# Altium PCB P01-SERVO.PcbDoc
Units mm, origin at the board's own origin, x right, y up, seen from the top; angles counter-clockwise.
Board outline 42.16 x 97.12 mm, 4 copper layers (Top Layer, Mid Layer 1, Mid Layer 2, Bottom Layer), stack 1.57 mm thick; 16 components, 40 nets, 190 pads, 42 vias.
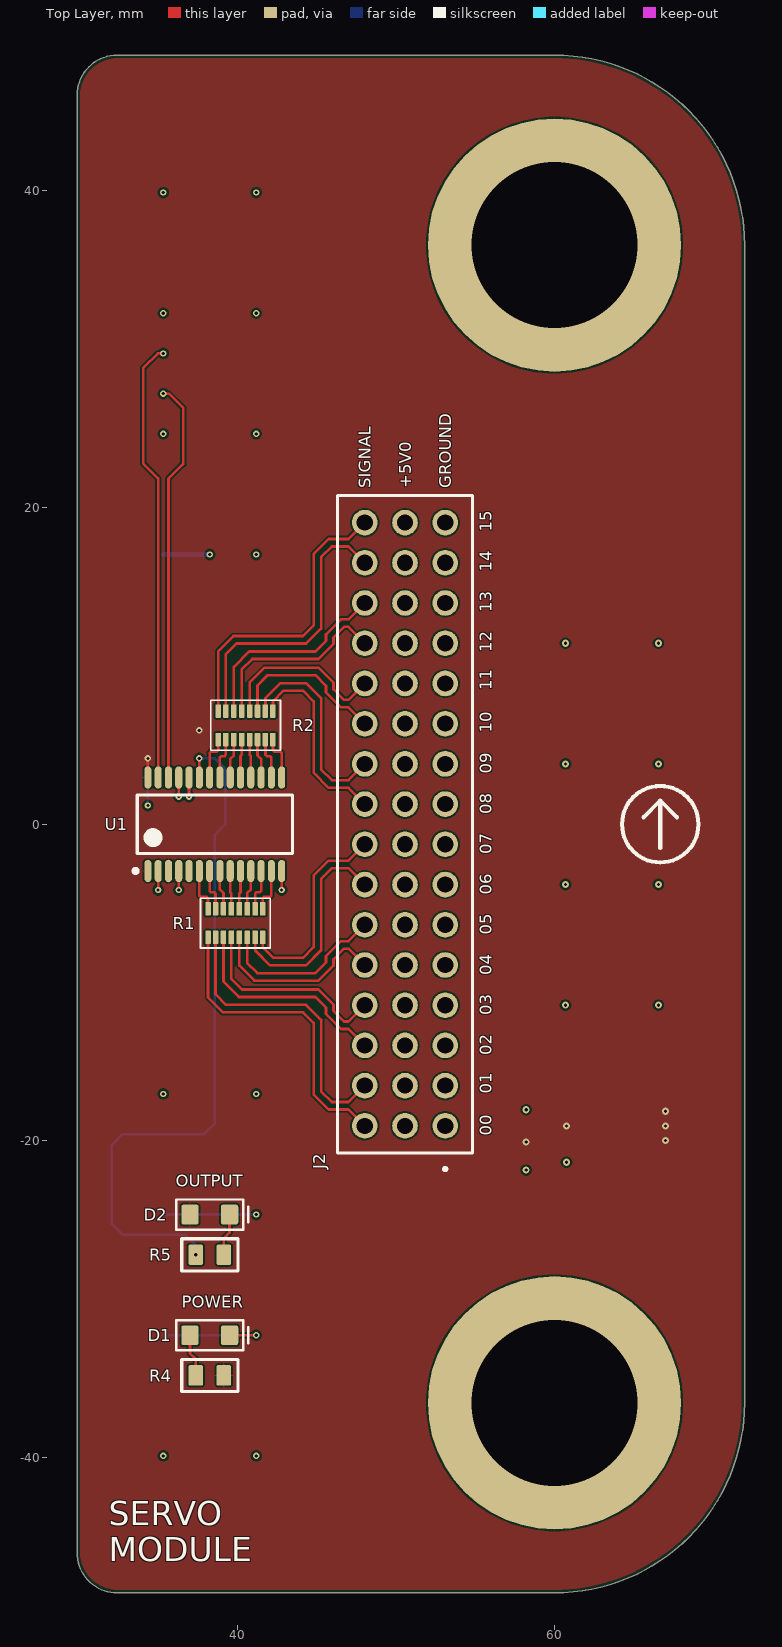
[diagram p0: Top Layer view]
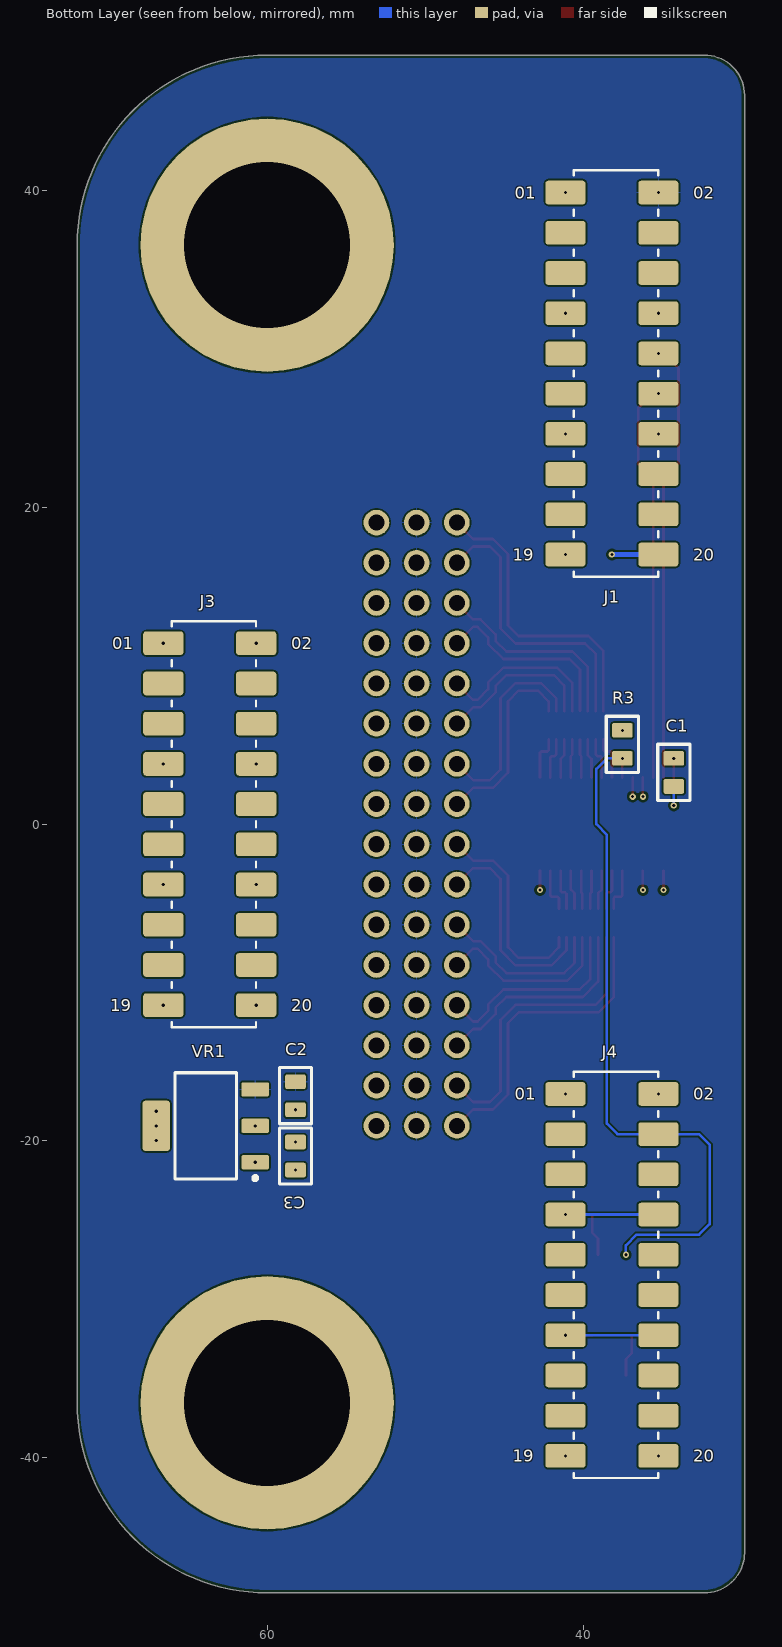
[diagram p1: Bottom Layer view, seen from below]
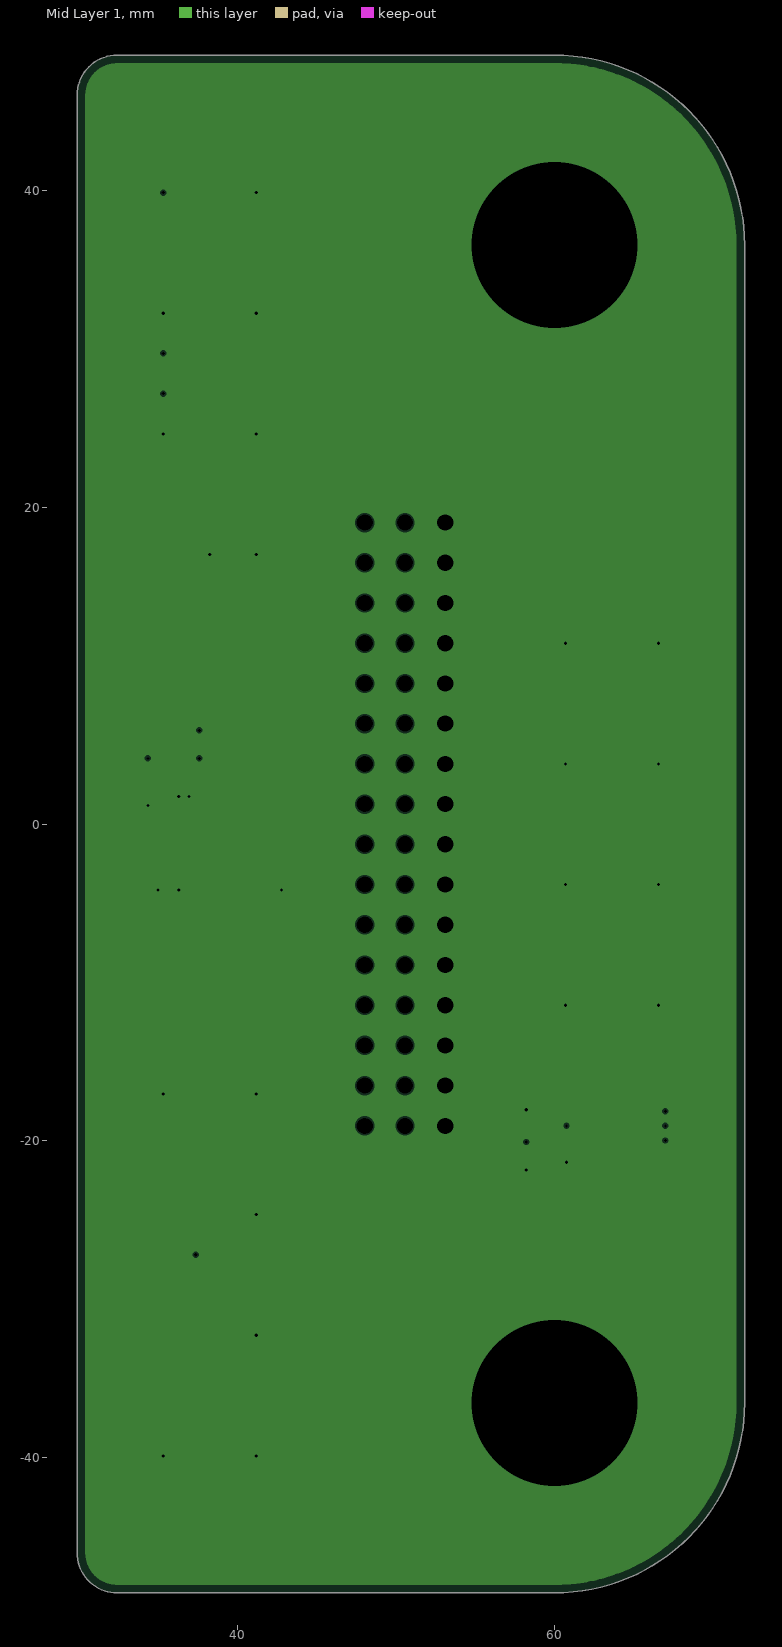
[diagram p2: Mid Layer 1, clearances drawn from the general rule]
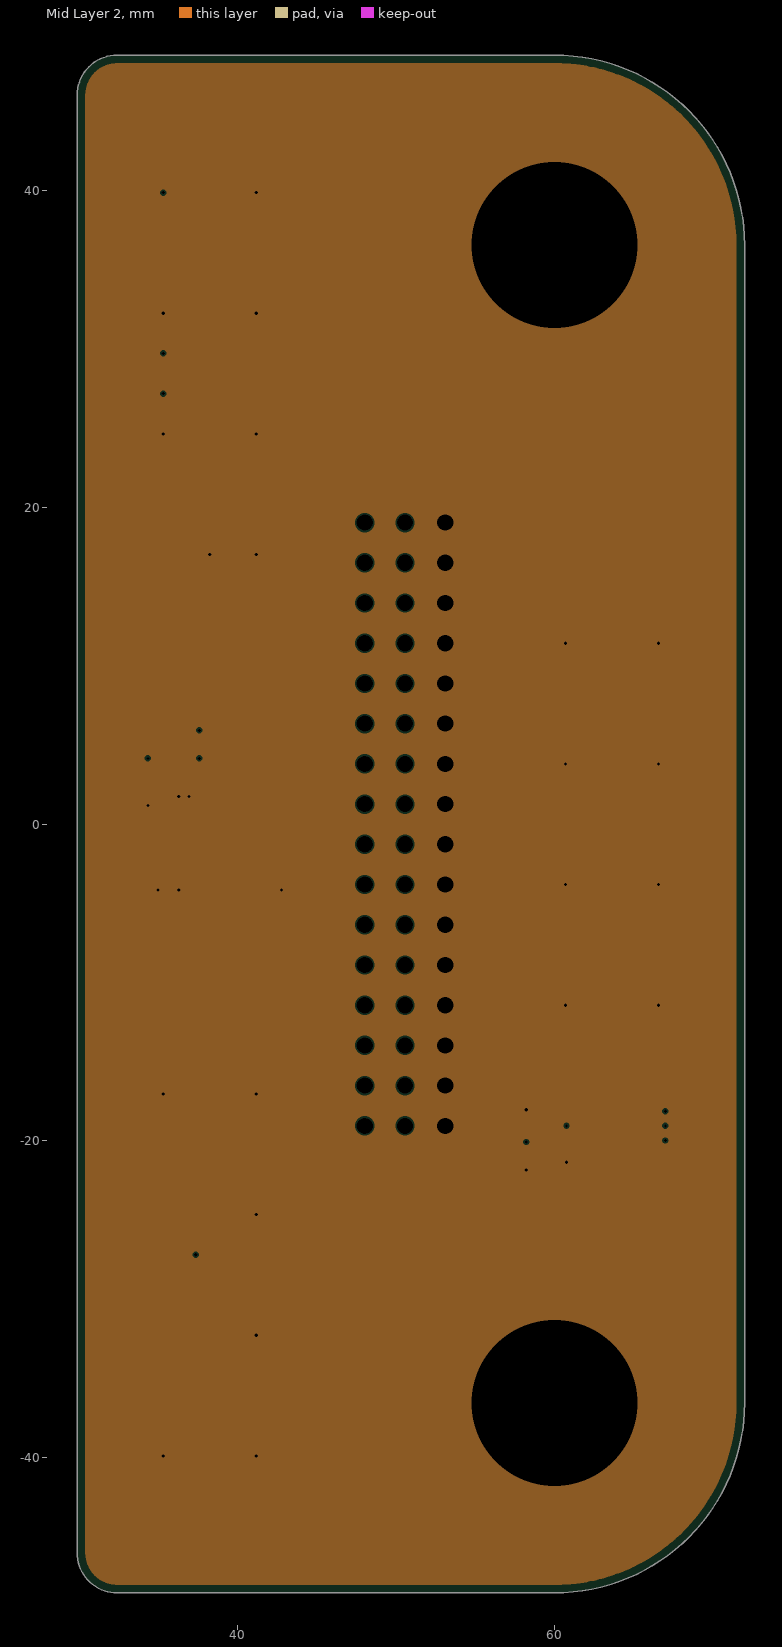
[diagram p3: Mid Layer 2, clearances drawn from the general rule]
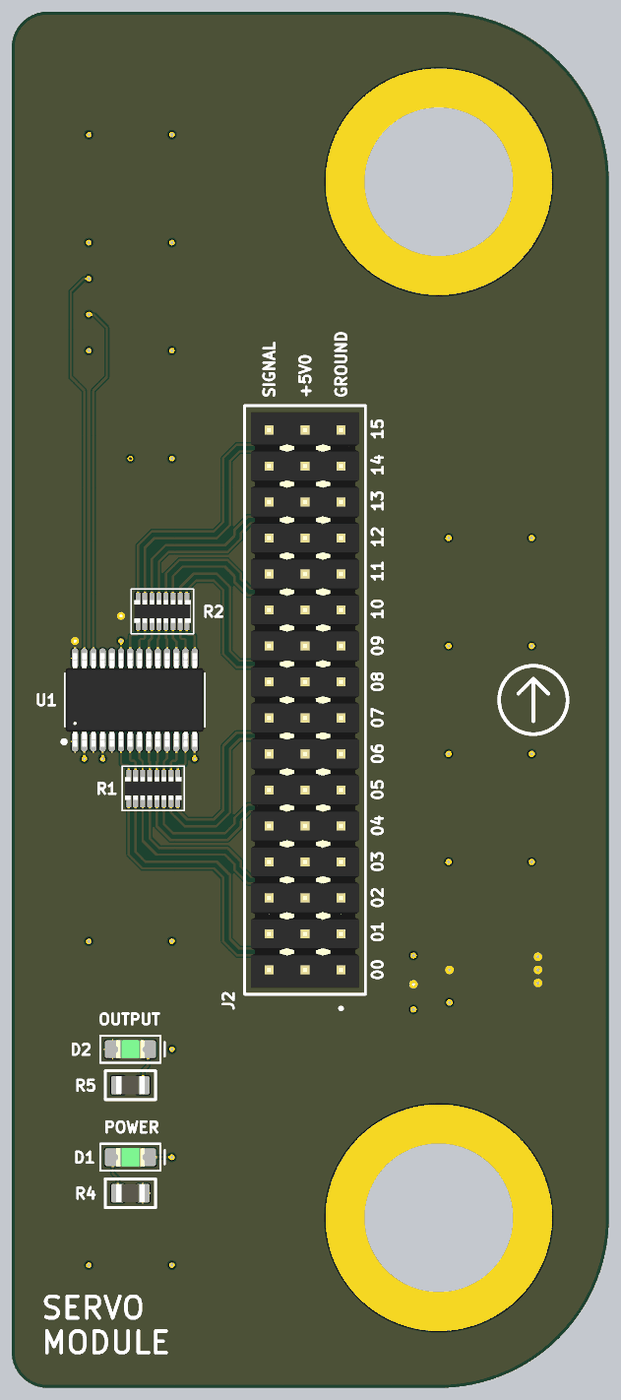
[diagram p4: 3D render of the assembled board from above, using the file's embedded part models]
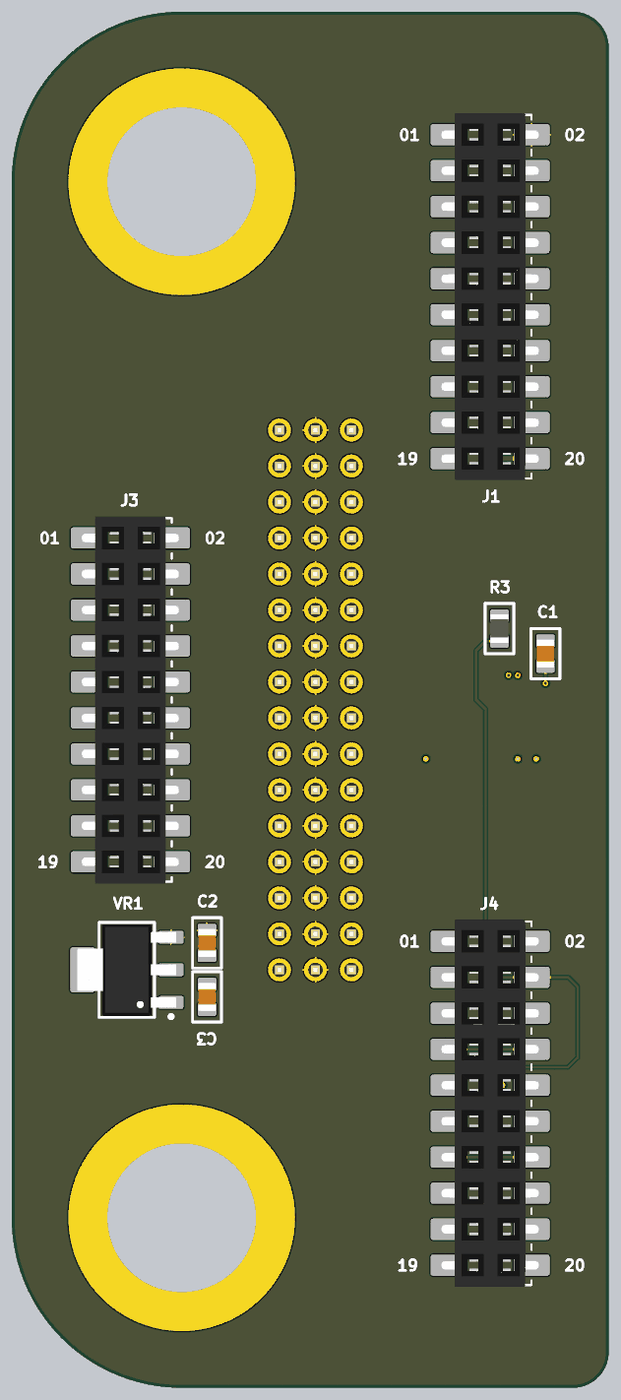
[diagram p5: 3D render of the assembled board from below, using the file's embedded part models]

## Layer stack, top to bottom
Top Solder: solder mask 0.0127, Solder Resist, Dk 3.8
Top Layer: signal copper 0.035
Dielectric 1: prepreg 0.1, 2313, Dk 4.05
Mid Layer 1: plane copper 0.0175, net GND
Core: core 1.265, FR-4, Dk 4.5
Mid Layer 2: plane copper 0.0175, net GND
Dielectric 2: prepreg 0.1, 2313, Dk 4.05
Bottom Layer: signal copper 0.035
Bottom Solder: solder mask 0.0127, Solder Resist, Dk 3.8

## Board outline
29.849,-46.008 29.849,46.035 cw(c32.389,46.035) 32.389,48.575 60.004,48.575 cw(c60.004,36.575) 72.004,36.575 72.004,-36.548 cw(c60.004,-36.548) 60.004,-48.548 32.389,-48.548 cw(c32.389,-46.008)

## Design rules (kind name [scope] priority, off if disabled: settings)
BoardOutlineClearance [All] p1: gap=0.2 ignorepadtopadclearanceinfootprint=FALSE
Clearance [All] p1: gap=0.102 ignorepadtopadclearanceinfootprint=FALSE except(0.127: Arc-Via Track-Via SMDPad-Via THPad-Via Via-Via Via-Fill Via-Poly Via-Region Via-Text; 0.25: Arc-Hole Track-Hole SMDPad-Hole THPad-Hole Via-Hole Fill-Hole Poly-Hole Region-Hole Text-Hole)
ComponentClearance [All] p1: gap=0.102 collisioncheckmode=3 verticalgap=0.102 showdistances=TRUE
DiffPairsRouting [All] p1: maxlimit=0.102 minlimit=0.102 mostfreqgap=0.102 toplayer_minwidth=0.102 toplayer_maxwidth=1816.048 toplayer_prefwidth=0.102 bottomlayer_minwidth=0.102 bottomlayer_maxwidth=1816.048 bottomlayer_prefwidth=0.102 maxuncoupledlength=12.7
Height [All] p1: minheight=0 maxheight=1816.048 prefheight=12.7
HoleSize [All] p1: absolutevalues=TRUE maxlimit=6.3 minlimit=0.2 maxpercent=80.000 minpercent=20.000
HoleToHoleClearance [All] p1: gap=0.25 allowstackedmicrovias=FALSE
MinimumAnnularRing [All] p1: minimumring=0.076
MinimumSolderMaskSliver [All] p1: minsoldermaskwidth=0
PlaneClearance [All] p1: clearance=0.102
PlaneConnect PlaneConnectPowerPads [InPadClass('PowerPads')] p1: planeconnectstyle=Direct reliefexpansion=0.508 reliefentries=4 reliefconductorwidth=0.254 reliefairgap=0.254
PlaneConnect [All] p2: pad.planeconnectstyle=Relief pad.reliefexpansion=0.3 pad.reliefentries=4 pad.reliefconductorwidth=0.102 pad.reliefairgap=0.102 via.planeconnectstyle=Direct via.reliefexpansion=0.3 via.reliefentries=4 via.reliefconductorwidth=0.127 via.reliefairgap=0.127
PolygonConnect PolygonConnectPowerPads [All vs (InPadClass('PowerPads'))] p1: connectstyle=Direct reliefconductorwidth=0.254 reliefentries=4 polygonreliefangle="90 Angle" airgapwidth=0.254
PolygonConnect [All] p2: thpad.connectstyle=Relief thpad.reliefconductorwidth=0.102 thpad.reliefentries=4 thpad.polygonreliefangle="90 Angle" thpad.airgapwidth=0.102 smdpad.connectstyle=Relief smdpad.reliefconductorwidth=0.102 smdpad.reliefentries=4 smdpad.polygonreliefangle="90 Angle" smdpad.airgapwidth=0.102 via.connectstyle=Direct via.reliefconductorwidth=0.127 via.reliefentries=4 via.polygonreliefangle="90 Angle" via.airgapwidth=0.127
RoutingVias [All] p1: holewidth=0.2 width=0.45 viastyle="Through Hole" minholewidth=0.2 minwidth=0.45 maxholewidth=6.3 maxwidth=6.55
SilkToSilkClearance [All] p1: silktosilkclearance=0
SilkToSolderMaskClearance [IsPad] p1: minsilkscreentomaskgap=0.102 clearancetoexposedcopper=TRUE
SolderMaskExpansion [All] p1: expansion=0.075 istentingtop=FALSE
Width [All] p1: maxlimit=1816.048 minlimit=0.102 preferedwidth=0.102
20 further rules are at their usual default settings.

## Classes and differential pairs
component class S02-DRIVER: C1 C2 C3 D1 D2 R3 R4 R5 U1 VR1
component class S01-INTERFACES: J1 J2 J3 J4 R1 R2

## Components (designator, comment, footprint, x,y, rotation, side; value= is the part's Value field where it differs from the comment)
C1 "10UF" CL21B106KPQNFNE 34.318,3.273 r270 bottom locked
C2 "1.0UF" CL21B105KAFNFNE 58.211,-17.149 r90 bottom locked
C3 "1.0UF" CL21B105KAFNFNE 58.211,-20.959 r90 bottom locked
D1 "LTST-C171GKT" LTST-C171GKT 38.227,-32.274 r180 top locked
D2 "LTST-C171GKT" LTST-C171GKT 38.227,-24.654 r180 top locked
J1 "NPTC102KFMS-RC" NPTC102KFMS-RC 38.227,28.464 r270 bottom locked
J2 "TSW-116-07-L-T" TSW-116-07-L-T 50.559,0 r90 top locked
J3 "NPTC102KFMS-RC" NPTC102KFMS-RC 63.626,0 r270 bottom locked
J4 "NPTC102KFMS-RC" NPTC102KFMS-RC 38.227,-28.464 r270 bottom locked
R1 "EXB-2HV221JV" EXB-2HV221JV 39.843,-6.248 r90 top locked
R2 "EXB-2HV221JV" EXB-2HV221JV 40.493,6.248 r270 top locked
R3 "10K0" RC0805FR-0710KL 37.568,5.043 r270 bottom locked
R4 "330R0" RC0805FR-7W330RL 38.227,-34.814 r0 top locked
R5 "330R0" RC0805FR-7W330RL 38.227,-27.194 r0 top locked
U1 "PCA9685PW" PCA9685PW 38.543,0 r90 top locked
VR1 "TLV1117LV33DCYR" TLV1117LV33DCYR 63.88,-19.05 r0 bottom locked

## Footprints (in the part's own frame and the unit in brackets; to place one, negate y for a bottom-side part, rotate by r counter-clockwise, add the part's x,y. Pads: shape width x height; smd on the part's side, far side on the other; paste and mask are expansions set on the pad)
CL21B105KAFNFNE [mm] "CAP CER 1UF 25V X7R 0805"
  rrect25% 0.93x1.3 smd: 1(-0.885,0) 2(0.885,0)
  silkscreen extent -1.77,-1.02 1.78,1.02, body extent -1,-0.62 1,0.63, height 1.35
CL21B106KPQNFNE [mm] "CAP CER 10UF 10V X7R 0805"
  rrect25% 0.93x1.3 smd: 1(-0.885,0) 2(0.885,0)
  silkscreen extent -1.77,-1.02 1.78,1.02, body extent -1,-0.62 1,0.63, height 1.35
EXB-2HV221JV [mm] "RES ARRAY 8 RES 220 OHM 1506"
  rrect25% 0.85x0.35 smd: 1(-0.9,1.725) 2(-0.9,1.25) 3(-0.9,0.75) 4(-0.9,0.25) 5(-0.9,-0.25) 6(-0.9,-0.75) 7(-0.9,-1.25) 8(-0.9,-1.725) 9(0.9,-1.725) 10(0.9,-1.25) 11(0.9,-0.75) 12(0.9,-0.25) 13(0.9,0.25) 14(0.9,0.75) 15(0.9,1.25) 16(0.9,1.725)
  silkscreen extent -1.57,-2.2 1.57,2.2, body extent -0.8,-2 0.8,2, height 0.45
LTST-C171GKT [mm] "LED GREEN CLEAR CHIP SMD"
  rrect25% 1.1x1.25 smd: A(1.25,0) K(-1.25,0)
  silkscreen extent -2.43,-0.95 2.13,0.95, body extent -1,-0.65 1,0.65, height 0.9
NPTC102KFMS-RC [mm] "CONN HDR 20POS 0.1 TIN SMD"
  rrect25% 1.5x2.54 smd: 1(-11.43,-2.934) 2(-11.43,2.934) 3(-8.89,-2.934) 4(-8.89,2.934) 5(-6.35,-2.934) 6(-6.35,2.934) 7(-3.81,-2.934) 8(-3.81,2.934) 9(-1.27,-2.934) 10(-1.27,2.934) 11(1.27,-2.934) 12(1.27,2.934) 13(3.81,-2.934) 14(3.81,2.934) 15(6.35,-2.934) 16(6.35,2.934) 17(8.89,-2.934) 18(8.89,2.934) 19(11.43,-2.934) 20(11.43,2.934)
  silkscreen extent -12.83,-2.41 12.83,2.92, body extent -12.95,-3.42 12.95,3.42, height 7.5
PCA9685PW [mm] "IC LED DRVR LIN PWM 25MA 28TSSOP"
  oval 1.4x0.45 smd: 1(-2.95,4.225) 2(-2.95,3.575) 3(-2.95,2.925) 4(-2.95,2.275) 5(-2.95,1.625) 6(-2.95,0.975) 7(-2.95,0.325) 8(-2.95,-0.325) 9(-2.95,-0.975) 10(-2.95,-1.625) 11(-2.95,-2.275) 12(-2.95,-2.925) 13(-2.95,-3.575) 14(-2.95,-4.225) 15(2.95,-4.225) 16(2.95,-3.575) 17(2.95,-2.925) 18(2.95,-2.275) 19(2.95,-1.625) 20(2.95,-0.975) 21(2.95,-0.325) 22(2.95,0.325) 23(2.95,0.975) 24(2.95,1.625) 25(2.95,2.275) 26(2.95,2.925) 27(2.95,3.575) 28(2.95,4.225)
  silkscreen extent -3.07,-4.9 1.85,5.12, body extent -3.3,-4.9 3.3,4.9, height 1.09
RC0805FR-7W330RL [mm] "RES 330 OHM 1% 1/4W 0805"
  rrect25% 0.93x1.3 smd: 1(-0.885,0) 2(0.885,0)
  silkscreen extent -1.77,-1.02 1.78,1.02, body extent -1.02,-0.63 1.02,0.63, height 0.64
RC0805FR-0710KL [mm] "RES 10K OHM 1% 1/8W 0805"
  rrect25% 0.93x1.3 smd: 1(-0.885,0) 2(0.885,0)
  silkscreen extent -1.77,-1.02 1.78,1.02, body extent -1.02,-0.64 1.01,0.63, height 0.64
TLV1117LV33DCYR [mm] "IC REG LINEAR 3.3V 1A SOT223-4"
  rrect25% 1.75x0.9 smd: 1(-3.125,2.3) 2(-3.125,0) 3(-3.125,-2.3)
  rrect25% 1.75x3.2 smd: 2(3.125,0)
  silkscreen extent -3.25,-3.35 1.95,3.42, body extent -3.5,-3.25 3.5,3.25, height 1.8
TSW-116-07-L-T [mm] "CONN HEADER VERT 48POS 2.54MM"
  round 1.62 / inner round 1.524 / far side round 1.62 hole 1.02: 1(-19.05,-2.54) 2(-19.05,0) 3(-19.05,2.54) 4(-16.51,-2.54) 5(-16.51,0) 6(-16.51,2.54) 7(-13.97,-2.54) 8(-13.97,0) 9(-13.97,2.54) 10(-11.43,-2.54) 11(-11.43,0) 12(-11.43,2.54) 13(-8.89,-2.54) 14(-8.89,0) 15(-8.89,2.54) 16(-6.35,-2.54) 17(-6.35,0) 18(-6.35,2.54) 19(-3.81,-2.54) 20(-3.81,0) 21(-3.81,2.54) 22(-1.27,-2.54) 23(-1.27,0) 24(-1.27,2.54) 25(1.27,-2.54) 26(1.27,0) 27(1.27,2.54) 28(3.81,-2.54) 29(3.81,0) 30(3.81,2.54) 31(6.35,-2.54) 32(6.35,0) 33(6.35,2.54) 34(8.89,-2.54) 35(8.89,0) 36(8.89,2.54) 37(11.43,-2.54) 38(11.43,0) 39(11.43,2.54) 40(13.97,-2.54) 41(13.97,0) 42(13.97,2.54) 43(16.51,-2.54) 44(16.51,0) 45(16.51,2.54) 46(19.05,-2.54) 47(19.05,0) 48(19.05,2.54)
  silkscreen extent -21.88,-4.26 20.77,4.26, body extent -20.32,-3.81 20.32,3.81, height 8.38

## Part data
C1: library part CL21B106KPQNFNE, "CAP CER 10UF 10V X7R 0805", Capacitance="10 µF", Operating Temperature="-55°C ~ 125°C", Package / Case="0805 (2012 Metric)", Temperature Coefficient=X7R, Tolerance=±10%, Voltage - Rated=10V, Applications="General Purpose", Mounting Type="Surface Mount, MLCC", Size / Dimension="0.079\" L x 0.049\" W (2.00mm x 1.25mm)", Supplier 1="Arrow Electronics", Supplier Part Number 1=CL21B106KPQNFNE, Thickness (Max)="0.053\" (1.35mm)"
C2 C3: library part CL21B105KAFNFNE, "CAP CER 1UF 25V X7R 0805", Capacitance="1 µF", Operating Temperature="-55°C ~ 125°C", Package / Case="0805 (2012 Metric)", Temperature Coefficient=X7R, Tolerance=±10%, Voltage - Rated=25V, Applications="General Purpose", Mounting Type="Surface Mount, MLCC", Size / Dimension="0.079\" L x 0.049\" W (2.00mm x 1.25mm)", Supplier 1="Arrow Electronics", Supplier Part Number 1=CL21B105KAFNFNE, Thickness (Max)="0.053\" (1.35mm)"
D1 D2: "LED GREEN CLEAR CHIP SMD", Color=Green, Current - Test=20mA, Lens Color=Colorless, Millicandela Rating=12mcd, Package / Case="0805 (2012 Metric)", Supplier Device Package="Chip LED", Supplier Part Number 1=160-1423-1-ND, Voltage - Forward (Vf) (Typ)=2.1V, Configuration=Standard, Height (Max)=0.90mm, Lens Size="1.40mm x 1.25mm", Lens Style="Rectangle with Flat Top", Lens Transparency=Clear, Mounting Type="Surface Mount", Size / Dimension="2.00mm L x 1.25mm W", Supplier 1=Digi-Key, Viewing Angle=130°, Wavelength - Dominant=569nm, Wavelength - Peak=565nm
J1 J3 J4: "CONN HDR 20POS 0.1 TIN SMD", Current Rating (Amps)=3A, Insulation Color=Black, Material Flammability Rating="UL94 V-0", Operating Temperature="-40°C ~ 125°C", Supplier Part Number 1=S5680-ND, Voltage Rating=250V, Connector Type=Header, Contact Finish - Mating=Tin, Contact Finish - Post=Tin, Contact Material="Phosphor Bronze", Contact Shape=Square, Contact Type="Female Socket", Fastening Type=Push-Pull, Insulation Height="0.299\" (7.60mm)", Insulation Material="Polyamide (PA6T), Nylon 6T", Mounting Type="Surface Mount", Number of Positions=20, Number of Positions Loaded=All, Number of Rows=2, Pitch - Mating="0.100\" (2.54mm)", Row Spacing - Mating="0.100\" (2.54mm)", Style="Board to Board", Supplier 1=Digi-Key, System=Connector, Termination=Solder
J2: "CONN HEADER VERT 48POS 2.54MM", Insulation Color=Black, Material Flammability Rating="UL94 V-0", Operating Temperature="-55°C ~ 125°C", Supplier Part Number 1=SAM12360-ND, Connector Type=Header, Contact Finish - Mating=Gold, Contact Finish - Post=Gold, Contact Finish Thickness - Mating="10.0µin (0.25µm)", Contact Finish Thickness - Post="10.0µin (0.25µm)", Contact Length - Mating="0.230\" (5.84mm)", Contact Length - Post="0.100\" (2.54mm)", Contact Material="Phosphor Bronze", Contact Shape=Square, Contact Type="Male Pin", Fastening Type=Push-Pull, Insulation Height="0.100\" (2.54mm)", Insulation Material="Polybutylene Terephthalate (PBT)", Mounting Type="Through Hole, Right Angle", Number of Positions=48, Number of Positions Loaded=All, Number of Rows=3, Pitch - Mating="0.100\" (2.54mm)", Row Spacing - Mating="0.100\" (2.54mm)", Shrouding=Unshrouded, Style="Board to Board or Cable", Supplier 1=Digi-Key, Termination=Solder
R1 R2: "RES ARRAY 8 RES 220 OHM 1506", Number of Resistors=8, Operating Temperature="-55°C ~ 125°C", Package / Case="1506, Convex, Long Side Terminals", Power Per Element=62.5mW, Resistance (Ohms)=220, Supplier Part Number 1=667-EXB-2HV221JV, Temperature Coefficient=±200ppm/°C, Tolerance=±5%, Applications="Automotive AEC-Q200", Circuit Type=Isolated, Height - Seated (Max)="0.022\" (0.55mm)", Mounting Type="Surface Mount", Number of Pins=16, Size / Dimension="0.150\" L x 0.063\" W (3.80mm x 1.60mm)", Supplier 1=Mouser
R3: library part RC0805FR-0710KL, "RES 10K OHM 1% 1/8W 0805", Operating Temperature="-55°C ~ 155°C", Package / Case="0805 (2012 Metric)", Power (Watts)="0.125W, 1/8W", Resistance="10 kOhms", Supplier Device Package=0805, Supplier Part Number 1=3310877, Temperature Coefficient=±100ppm/°C, Tolerance=±1%, Composition="Thick Film", Features="Moisture Resistant", Height - Seated (Max)="0.024\" (0.60mm)", Number of Terminations=2, Size / Dimension="0.079\" L x 0.049\" W (2.00mm x 1.25mm)", Supplier 1="Future Electronics"
R4 R5: library part RC0805FR-7W330RL, "RES 330 OHM 1% 1/4W 0805", Operating Temperature="-55°C ~ 155°C", Power (Watts)="0.25W, 1/4W", Resistance="330 Ohms", Supplier Device Package=0805, Supplier Part Number 1=603-RC0805FR-7W330RL, Temperature Coefficient=±100ppm/°C, Tolerance=±1%, Composition="Thick Film", Features="Moisture Resistant", Height - Seated (Max)="0.024\" (0.60mm)", Number of Terminations=2, Size / Dimension="0.079\" L x 0.049\" W (2.00mm x 1.25mm)", Supplier 1=Mouser
U1: "IC LED DRVR LIN PWM 25MA 28TSSOP", Current - Output / Channel=25mA, Frequency="100kHz ~ 1MHz", Operating Temperature="-40°C ~ 85°C (TA)", Package / Case="28-TSSOP (0.173\", 4.40mm Width)", Supplier Part Number 1=PCA9685PW,118, Voltage - Output=5.5V, Voltage - Supply (Min)=2.3V, Applications=Backlight, Dimming=PWM, Internal Switch(s)=Yes, Mounting Type="Surface Mount", Number of Outputs=16, Supplier 1="Arrow Electronics", Type=Linear, Voltage - Supply (Max)=5.5V
VR1: "IC REG LINEAR 3.3V 1A SOT223-4", Current - Output=1A, Current - Quiescent (Iq)="100 µA", Operating Temperature="-40°C ~ 125°C", Package / Case="TO-261-4, TO-261AA", Supplier Part Number 1=296-28778-1-ND, Voltage - Input (Max)=5.5V, Voltage - Output (Min/Fixed)=3.3V, Voltage Dropout (Max)="1.3V @ 800mA", ComponentLink1Description=Datasheet, ComponentLink1URL=https://www.ti.com/lit/ds/symlink/tlv1117lv.pdf, Mounting Type="Surface Mount", Number of Regulators=1, Output Configuration=Positive, Output Type=Fixed, Protection Features="Over Current, Over Temperature", PSRR="75dB (120Hz)", Supplier 1=Digi-Key

## Free pads (board coordinates)
  round 16 hole 10.5: M(60.004,-36.548) M(60.004,36.575)

## Via types
v1: diameter 0.4, hole 0.2, Top Layer to Bottom Layer, 26 vias
v2: diameter 0.45, hole 0.2, Top Layer to Bottom Layer, 16 vias

## Nets (pads, with @x,y where several pads share a name; then routed paths per layer and width w, separated by ;. In a path a pad name is that pad's centre, name@x,y a point inside that pad or via, vN(x,y) a via of type N, cw(c..) or ccw(c..) an arc to the next point about the centre after c; other vN are vias at no path point)
+3V3: C1.1 C3.2 D2.A R3.1 R4.2 U1.1 U1.3 U1.5 U1.28 VR1.2 | length 1.2
  Top Layer w0.167: U1.28 v1(34.318,4.158)
  other v1: 37.568,5.928
  other v2: 58.211,-20.074 67.005,-19.975 60.755,-19.05 67.005,-19.05 67.005,-18.125
+5V0: C2.2 J1.2 J2.2 J2.5 J2.8 J2.11 J2.14 J2.17 J2.20 J2.23 J2.26 J2.29 J2.32 J2.35 J2.38 J2.41 J2.44 J2.47 VR1.3
  other v1: 35.293,39.894
\SERVO_OE: J4.4 R3.2 R5.1 U1.23 | length 44.3
  Top Layer w0.167: U1.23 v1(37.568,4.158)
  Bottom Layer w0.167: v1(37.342,-27.194) 37.342,-26.596 36.67,-25.924 32.728,-25.924 32.056,-25.252 32.044,-25.252 32.044,-20.246 32.715,-19.574 J4.4 37.871,-19.574 38.543,-18.902 38.543,-0.672 39.215,0 39.215,3.486 38.543,4.158 v1(37.568,4.158)
DRV_PWM00: R1.16 U1.6 | length 2.8
  Top Layer w0.167: U1.6 37.568,-4.504 37.655,-4.591 38.03,-4.591 38.118,-4.679 R1.16
DRV_PWM01: R1.15 U1.7 | length 2.7
  Top Layer w0.167: U1.7 38.218,-4.216 38.305,-4.304 38.505,-4.304 38.593,-4.391 R1.15
DRV_PWM02: R1.14 U1.8 | length 2.5
  Top Layer w0.167: U1.8 38.868,-3.9 38.868,-4.129 39.093,-4.354 R1.14
DRV_PWM03: R1.13 U1.9 | length 2.4
  Top Layer w0.167: U1.9 39.518,-4.304 39.593,-4.379 R1.13
DRV_PWM04: R1.12 U1.10 | length 2.4
  Top Layer w0.167: R1.12 40.093,-4.379 40.168,-4.304 U1.10
DRV_PWM05: R1.11 U1.11 | length 2.5
  Top Layer w0.167: R1.11@40.593,-5.348 40.593,-4.354 40.818,-4.129 40.818,-3.9 U1.11
DRV_PWM06: R1.10 U1.12 | length 2.7
  Top Layer w0.167: R1.10 41.093,-4.391 41.18,-4.304 41.38,-4.304 41.468,-4.216 U1.12
DRV_PWM07: R1.9 U1.13 | length 2.8
  Top Layer w0.167: R1.9 41.568,-4.679 41.655,-4.591 42.03,-4.591 42.118,-4.504 U1.13
DRV_PWM08: R2.16 U1.15 | length 2.8
  Top Layer w0.167: R2.16 42.218,4.679 42.305,4.591 42.68,4.591 42.768,4.504 U1.15
DRV_PWM09: R2.15 U1.16 | length 2.7
  Top Layer w0.167: R2.15 41.743,4.391 41.831,4.304 42.03,4.304 42.118,4.216 U1.16
DRV_PWM10: R2.14 U1.17 | length 2.5
  Top Layer w0.167: R2.14 41.243,4.354 41.468,4.129 41.468,3.9 U1.17
DRV_PWM11: R2.13 U1.18 | length 2.4
  Top Layer w0.167: R2.13 40.743,4.379 40.818,4.304 U1.18
DRV_PWM12: R2.12 U1.19 | length 2.4
  Top Layer w0.167: U1.19 40.168,4.304 40.243,4.379 R2.12
DRV_PWM13: R2.11 U1.20 | length 2.5
  Top Layer w0.167: U1.20 39.518,3.9 39.518,4.129 39.743,4.354 R2.11
DRV_PWM14: R2.10 U1.21 | length 2.7
  Top Layer w0.167: U1.21 38.868,4.216 38.955,4.304 39.155,4.304 39.243,4.391 R2.10
DRV_PWM15: R2.9 U1.22 | length 2.8
  Top Layer w0.167: U1.22 38.218,4.504 38.305,4.591 38.68,4.591 38.768,4.679 R2.9
GND: C1.2 C2.1 C3.1 D1.K J1.1 J1.7 J1.8 J1.13 J1.14 J1.19 J1.20 J2.1 J2.4 J2.7 J2.10 J2.13 J2.16 J2.19 J2.22 J2.25 J2.28 J2.31 J2.34 J2.37 J2.40 J2.43 J2.46 J3.1 J3.2 J3.7 J3.8 J3.13 J3.14 J3.19 J3.20 J4.1 J4.2 J4.7 J4.8 J4.13 J4.14 J4.19 J4.20 pad.M U1.2 U1.4 U1.14 U1.24 U1.25 VR1.1 | length 23.6
  Top Layer w0.167: v1(34.968,-4.158) U1.2 ; v1(36.268,-4.158) U1.4 ; v1(36.268,1.742) U1.25 ; v1(36.918,1.742) U1.24 ; D1.K v1(41.161,-32.274) ; v1(42.768,-4.158) U1.14
  Bottom Layer w0.167: v1(34.318,1.18) C1.2 ; J4.14 v1(41.161,-32.274) ; J4.8 v1(41.161,-24.654)
  Bottom Layer w0.3: J1.20 v1(38.227,17.034)
  other v1: 35.293,-39.894 41.161,-39.894 35.293,-17.034 41.161,-17.034 41.161,17.034 35.293,24.654 41.161,24.654 35.293,32.274 41.161,32.274 41.161,39.894
  other v2: 58.211,-21.844 60.755,-21.35 58.211,-18.034 60.693,-11.43 66.56,-11.43 60.693,-3.81 66.56,-3.81 60.693,3.81 66.56,3.81 60.693,11.43 66.56,11.43
I2CBUS_A_SCL: J1.12 U1.26 | length 25.4
  Top Layer w0.167: v1(35.293,27.194) 35.644,27.194 36.563,26.275 36.563,22.753 36.537,22.753 35.618,21.833 U1.26
I2CBUS_A_SDA: J1.10 U1.27 | length 27.9
  Top Layer w0.167: U1.27 34.968,21.833 34.023,22.778 34.023,28.815 34.943,29.734 v1(35.293,29.734)
NetD1_A: D1.A R4.1 | length 2.7
  Top Layer w0.171: D1.A 36.977,-33.417 37.342,-33.782 R4.1
NetD2_K: D2.K R5.2 | length 2.7
  Top Layer w0.171: R5.2 39.112,-26.162 39.477,-25.797 D2.K
OUT_PWM00: J2.3 R1.1 | length 19.7
  Top Layer w0.167: R1.1 38.118,-10.935 39.068,-11.885 44.118,-11.885 44.79,-12.557 44.79,-17.068 45.74,-18.018 46.987,-18.018 J2.3
OUT_PWM01: J2.6 R1.2 | length 18.9
  Top Layer w0.167: R1.2 38.593,-10.738 39.265,-11.41 44.315,-11.41 45.265,-12.36 45.265,-16.871 45.937,-17.543 46.987,-17.543 J2.6
OUT_PWM02: J2.9 R1.3 | length 13.6
  Top Layer w0.167: R1.3 39.093,-9.935 40.068,-10.91 44.892,-10.91 45.564,-11.582 45.564,-11.988 46.514,-12.938 46.987,-12.938 J2.9
OUT_PWM03: J2.12 R1.4 | length 12.8
  Top Layer w0.167: R1.4 39.593,-9.763 40.265,-10.435 45.089,-10.435 46.039,-11.385 46.039,-11.791 46.711,-12.462 46.987,-12.462 J2.12
OUT_PWM04: J2.15 R1.5 | length 11.6
  Top Layer w0.167: R1.5 40.093,-8.935 41.043,-9.885 45.089,-9.885 46.039,-8.935 46.039,-8.529 46.711,-7.858 46.987,-7.858 J2.15
OUT_PWM05: J2.18 R1.6 | length 10.8
  Top Layer w0.167: R1.6 40.593,-8.763 41.24,-9.41 44.892,-9.41 45.564,-8.738 45.564,-8.332 46.514,-7.382 46.987,-7.382 J2.18
OUT_PWM06: J2.21 R1.7 | length 13.7
  Top Layer w0.167: R1.7 41.093,-7.96 42.043,-8.91 44.315,-8.91 45.265,-7.96 45.265,-3.449 45.937,-2.777 46.987,-2.777 J2.21
OUT_PWM07: J2.24 R1.8 | length 13
  Top Layer w0.167: R1.8 41.568,-7.763 42.24,-8.435 44.118,-8.435 44.79,-7.763 44.79,-3.252 45.74,-2.302 46.987,-2.302 J2.24
OUT_PWM08: J2.27 R2.1 | length 12.3
  Top Layer w0.167: R2.1 42.218,7.763 42.89,8.435 44.118,8.435 44.79,7.763 44.79,3.252 45.74,2.302 46.987,2.302 J2.27
OUT_PWM09: J2.30 R2.2 | length 13.1
  Top Layer w0.167: R2.2 41.743,7.96 42.693,8.91 44.315,8.91 45.265,7.96 45.265,3.449 45.937,2.777 46.987,2.777 J2.30
OUT_PWM10: J2.33 R2.3 | length 10.2
  Top Layer w0.167: R2.3 41.243,8.763 41.89,9.41 44.892,9.41 45.564,8.738 45.564,8.332 46.514,7.382 46.987,7.382 J2.33
OUT_PWM11: J2.36 R2.4 | length 11
  Top Layer w0.167: R2.4 40.743,8.935 41.693,9.885 45.089,9.885 46.039,8.935 46.039,8.529 46.711,7.858 46.987,7.858 J2.36
OUT_PWM12: J2.39 R2.5 | length 12.2
  Top Layer w0.167: R2.5 40.243,9.763 40.915,10.435 45.089,10.435 46.039,11.385 46.039,11.791 46.711,12.462 46.987,12.462 J2.39
OUT_PWM13: J2.42 R2.6 | length 13
  Top Layer w0.167: R2.6 39.743,9.935 40.718,10.91 44.892,10.91 45.564,11.582 45.564,11.988 46.514,12.938 46.987,12.938 J2.42
OUT_PWM14: J2.45 R2.7 | length 18.3
  Top Layer w0.167: R2.7 39.243,10.738 39.915,11.41 44.315,11.41 45.265,12.36 45.265,16.871 45.937,17.543 46.987,17.543 J2.45
OUT_PWM15: J2.48 R2.8 | length 19
  Top Layer w0.167: R2.8 38.768,10.935 39.718,11.885 44.118,11.885 44.79,12.557 44.79,17.068 45.74,18.018 46.987,18.018 J2.48
pads on no net: J1.3 J1.4 J1.5 J1.6 J1.9 J1.11 J1.15 J1.16 J1.17 J1.18 J3.3 J3.4 J3.5 J3.6 J3.9 J3.10 J3.11 J3.12 J3.15 J3.16 J3.17 J3.18 J4.3 J4.5 J4.6 J4.9 J4.10 J4.11 J4.12 J4.15 J4.16 J4.17 J4.18

## Polygon pours and split planes (outlines as drawn)
+5V0 on Bottom Layer "+5V0_L04_P001" (solid, remove dead copper, pour order 1): 29.849,-46.008 29.849,46.035 cw(c32.389,46.035) 32.389,48.575 60.004,48.575 cw(c60.004,36.575) 72.004,36.575 72.004,-36.548 cw(c60.004,-36.548) 60.004,-48.548 32.389,-48.548 cw(c32.389,-46.008)
+3V3 on Top Layer "+3V3_L01_P000" (solid, remove dead copper, pour order 0): 29.849,-46.008 29.849,46.035 cw(c32.389,46.035) 32.389,48.575 60.004,48.575 cw(c60.004,36.575) 72.004,36.575 72.004,-36.548 cw(c60.004,-36.548) 60.004,-48.548 32.389,-48.548 cw(c32.389,-46.008)
GND on Mid Layer 2 (split plane): 60.479,48.057 60.953,48.028 61.425,47.979 61.895,47.91 62.362,47.822 62.825,47.715 63.283,47.589 63.735,47.444 64.181,47.281 64.62,47.099 65.051,46.899 65.474,46.682 65.887,46.447 66.289,46.196 66.682,45.928 67.062,45.644 67.431,45.344 67.787,45.03 68.13,44.701 68.459,44.358 68.773,44.002 69.073,43.633 69.357,43.253 69.625,42.86 69.876,42.458 70.111,42.045 70.328,41.622 70.528,41.191 70.71,40.752 70.873,40.306 71.018,39.854 71.144,39.396 71.251,38.933 71.339,38.466 71.408,37.996 71.457,37.524 71.486,37.05 71.495,36.595 71.494,36.575 71.494,-36.548 71.495,-36.568 71.486,-37.023 71.457,-37.497 71.408,-37.969 71.339,-38.44 71.251,-38.906 71.144,-39.369 71.018,-39.827 70.873,-40.279 70.71,-40.725 70.528,-41.164 70.328,-41.595 70.111,-42.018 69.876,-42.431 69.625,-42.833 69.357,-43.226 69.073,-43.606 68.773,-43.975 68.459,-44.331 68.13,-44.674 67.787,-45.003 67.431,-45.317 67.062,-45.617 66.682,-45.901 66.289,-46.169 65.887,-46.42 65.474,-46.655 65.051,-46.872 64.62,-47.072 64.181,-47.254 63.735,-47.417 63.283,-47.562 62.825,-47.688 62.362,-47.795 61.895,-47.883 61.425,-47.952 60.953,-48.001 60.479,-48.03 60.024,-48.04 60.004,-48.038 32.389,-48.038 32.373,-48.039 32.19,-48.03 31.993,-48.001 31.799,-47.952 31.611,-47.885 31.431,-47.8 31.26,-47.697 31.1,-47.579 30.952,-47.445 30.818,-47.297 30.7,-47.137 30.597,-46.966 30.512,-46.786 30.445,-46.598 30.396,-46.404 30.367,-46.207 30.358,-46.024 30.359,-46.008 30.359,46.035 30.358,46.051 30.367,46.234 30.396,46.431 30.445,46.625 30.512,46.813 30.597,46.993 30.7,47.164 30.818,47.324 30.952,47.472 31.1,47.606 31.26,47.724 31.431,47.827 31.611,47.912 31.799,47.979 31.993,48.028 32.19,48.057 32.373,48.066 32.389,48.065 60.004,48.065 60.024,48.066
GND on Mid Layer 1 (split plane): 60.479,48.057 60.953,48.028 61.425,47.979 61.895,47.91 62.362,47.822 62.825,47.715 63.283,47.589 63.735,47.444 64.181,47.281 64.62,47.099 65.051,46.899 65.474,46.682 65.887,46.447 66.289,46.196 66.682,45.928 67.062,45.644 67.431,45.344 67.787,45.03 68.13,44.701 68.459,44.358 68.773,44.002 69.073,43.633 69.357,43.253 69.625,42.86 69.876,42.458 70.111,42.045 70.328,41.622 70.528,41.191 70.71,40.752 70.873,40.306 71.018,39.854 71.144,39.396 71.251,38.933 71.339,38.466 71.408,37.996 71.457,37.524 71.486,37.05 71.495,36.595 71.494,36.575 71.494,-36.548 71.495,-36.568 71.486,-37.023 71.457,-37.497 71.408,-37.969 71.339,-38.44 71.251,-38.906 71.144,-39.369 71.018,-39.827 70.873,-40.279 70.71,-40.725 70.528,-41.164 70.328,-41.595 70.111,-42.018 69.876,-42.431 69.625,-42.833 69.357,-43.226 69.073,-43.606 68.773,-43.975 68.459,-44.331 68.13,-44.674 67.787,-45.003 67.431,-45.317 67.062,-45.617 66.682,-45.901 66.289,-46.169 65.887,-46.42 65.474,-46.655 65.051,-46.872 64.62,-47.072 64.181,-47.254 63.735,-47.417 63.283,-47.562 62.825,-47.688 62.362,-47.795 61.895,-47.883 61.425,-47.952 60.953,-48.001 60.479,-48.03 60.024,-48.04 60.004,-48.038 32.389,-48.038 32.373,-48.039 32.19,-48.03 31.993,-48.001 31.799,-47.952 31.611,-47.885 31.431,-47.8 31.26,-47.697 31.1,-47.579 30.952,-47.445 30.818,-47.297 30.7,-47.137 30.597,-46.966 30.512,-46.786 30.445,-46.598 30.396,-46.404 30.367,-46.207 30.358,-46.024 30.359,-46.008 30.359,46.035 30.358,46.051 30.367,46.234 30.396,46.431 30.445,46.625 30.512,46.813 30.597,46.993 30.7,47.164 30.818,47.324 30.952,47.472 31.1,47.606 31.26,47.724 31.431,47.827 31.611,47.912 31.799,47.979 31.993,48.028 32.19,48.057 32.373,48.066 32.389,48.065 60.004,48.065 60.024,48.066

## Silkscreen, mask and mechanical layers (free items; w line width, h text height)
Top Overlay:
  circle w0.254: c66.679,0 r2.413
  lines w0.254: 65.618,0.439 66.679,1.5 ; 66.679,-1.5 66.679,1.5 ; 67.739,0.439 66.679,1.5
  text "SIGNAL" at 48.4,21.228 h0.76 r90
  text "+5V0" at 50.94,21.228 h0.76 r90
  text "GROUND" at 53.48,21.228 h0.76 r90
  text "15" at 56.039,18.479 h0.76 r90
  text "14" at 56.039,15.939 h0.76 r90
  text "13" at 56.039,13.399 h0.76 r90
  text "12" at 56.039,10.859 h0.76 r90
  text "11" at 56.039,8.446 h0.76 r90
  text "10" at 56.039,5.779 h0.76 r90
  text "09" at 56.039,3.175 h0.76 r90
  text "08" at 56.039,0.635 h0.76 r90
  text "07" at 56.039,-1.905 h0.76 r90
  text "06" at 56.039,-4.445 h0.76 r90
  text "05" at 56.039,-6.985 h0.76 r90
  text "04" at 56.039,-9.525 h0.76 r90
  text "03" at 56.039,-12.065 h0.76 r90
  text "02" at 56.039,-14.605 h0.76 r90
  text "01" at 56.039,-17.018 h0.76 r90
  text "00" at 56.039,-19.685 h0.76 r90
  text "OUTPUT" at 36.069,-22.907 h0.76
  text "POWER" at 36.45,-30.527 h0.76
  text "SERVO / MODULE" at 31.849,-46.548 h1.52
Bottom Overlay:
  text "02" at 33.092,39.513 h0.76
  text "01" at 44.378,39.513 h0.76
  text "20" at 33.092,16.653 h0.76
  text "19" at 44.505,16.653 h0.76
  text "02" at 58.491,11.05 h0.76
  text "01" at 69.777,11.05 h0.76
  text "20" at 58.491,-11.81 h0.76
  text "19" at 69.904,-11.81 h0.76
  text "02" at 33.092,-17.415 h0.76
  text "01" at 44.378,-17.415 h0.76
  text "20" at 33.092,-40.275 h0.76
  text "19" at 44.505,-40.275 h0.76
Mechanical 3:
  lines w0.254: -72,-36.558 ccw(c-60,-36.558) -60,-48.558 -25.4,-48.558 -7.938,-48.558 ccw(c-7.937,-47.288) -6.667,-47.288 -6.667,-29.331 cw(c-5.397,-29.331) -5.397,-28.061 10.503,-28.061 cw(c10.503,-29.331) 11.773,-29.331 11.773,-47.288 ccw(c13.043,-47.288) 13.043,-48.558 60,-48.558 ccw(c60,-36.558) 72,-36.558 72,36.565 ccw(c60,36.565) 60,48.565 -60,48.565 ccw(c-60,36.565) -72,36.565 -72,-36.558
Mechanical 5:
  circle w0.254: c60.004,-36.548 r12
  circle w0.254: c60.004,36.575 r12
  circle w0.254: c-59.996,-36.548 r12
  circle w0.254: c-59.996,36.575 r6
  circle w0.254: c-59.996,-36.548 r6
  circle w0.254: c60.004,-36.548 r6
  circle w0.254: c60.004,36.575 r6
  circle w0.254: c-59.996,36.575 r12
  lines w0.254: -71.996,-36.548 ccw(c-59.996,-36.548) -59.996,-48.548 ; -71.996,-36.548 ccw(c-59.996,-36.548) -59.996,-48.548 ; -71.996,-36.548 -71.996,36.575 ; -71.996,36.575 cw(c-59.996,36.575) -59.996,48.575 ; -71.996,36.575 cw(c-59.996,36.575) -59.996,48.575 ; -59.996,-48.548 -32.381,-48.548 ccw(c-32.381,-46.008) -29.841,-46.008 -29.841,46.035 ccw(c-32.381,46.035) -32.381,48.575 -59.996,48.575 ; 60.004,-48.548 ccw(c60.004,-36.548) 72.004,-36.548 ; 60.004,-48.548 ccw(c60.004,-36.548) 72.004,-36.548 ; 60.004,-48.548 32.389,-48.548 cw(c32.389,-46.008) 29.849,-46.008 29.849,46.035 cw(c32.389,46.035) 32.389,48.575 60.004,48.575 ; 60.004,48.575 cw(c60.004,36.575) 72.004,36.575 ; 60.004,48.575 cw(c60.004,36.575) 72.004,36.575 ; 72.004,-36.548 72.004,36.575
Mechanical 15:
  lines w0.254: -70,0 70,0 ; 0,-46.562 0,46.562